# Altium PCB Sampler.PCBDOC (part 5 of 5)
Units mil, origin at the board's own origin, x right, y up, seen from the top; angles counter-clockwise.
Board outline 6299 x 3937 mil, 4 copper layers (Top, MP(GND), L3, Bot), stack 64.881 mil thick; 530 components, 318 nets, 1631 pads, 766 vias.
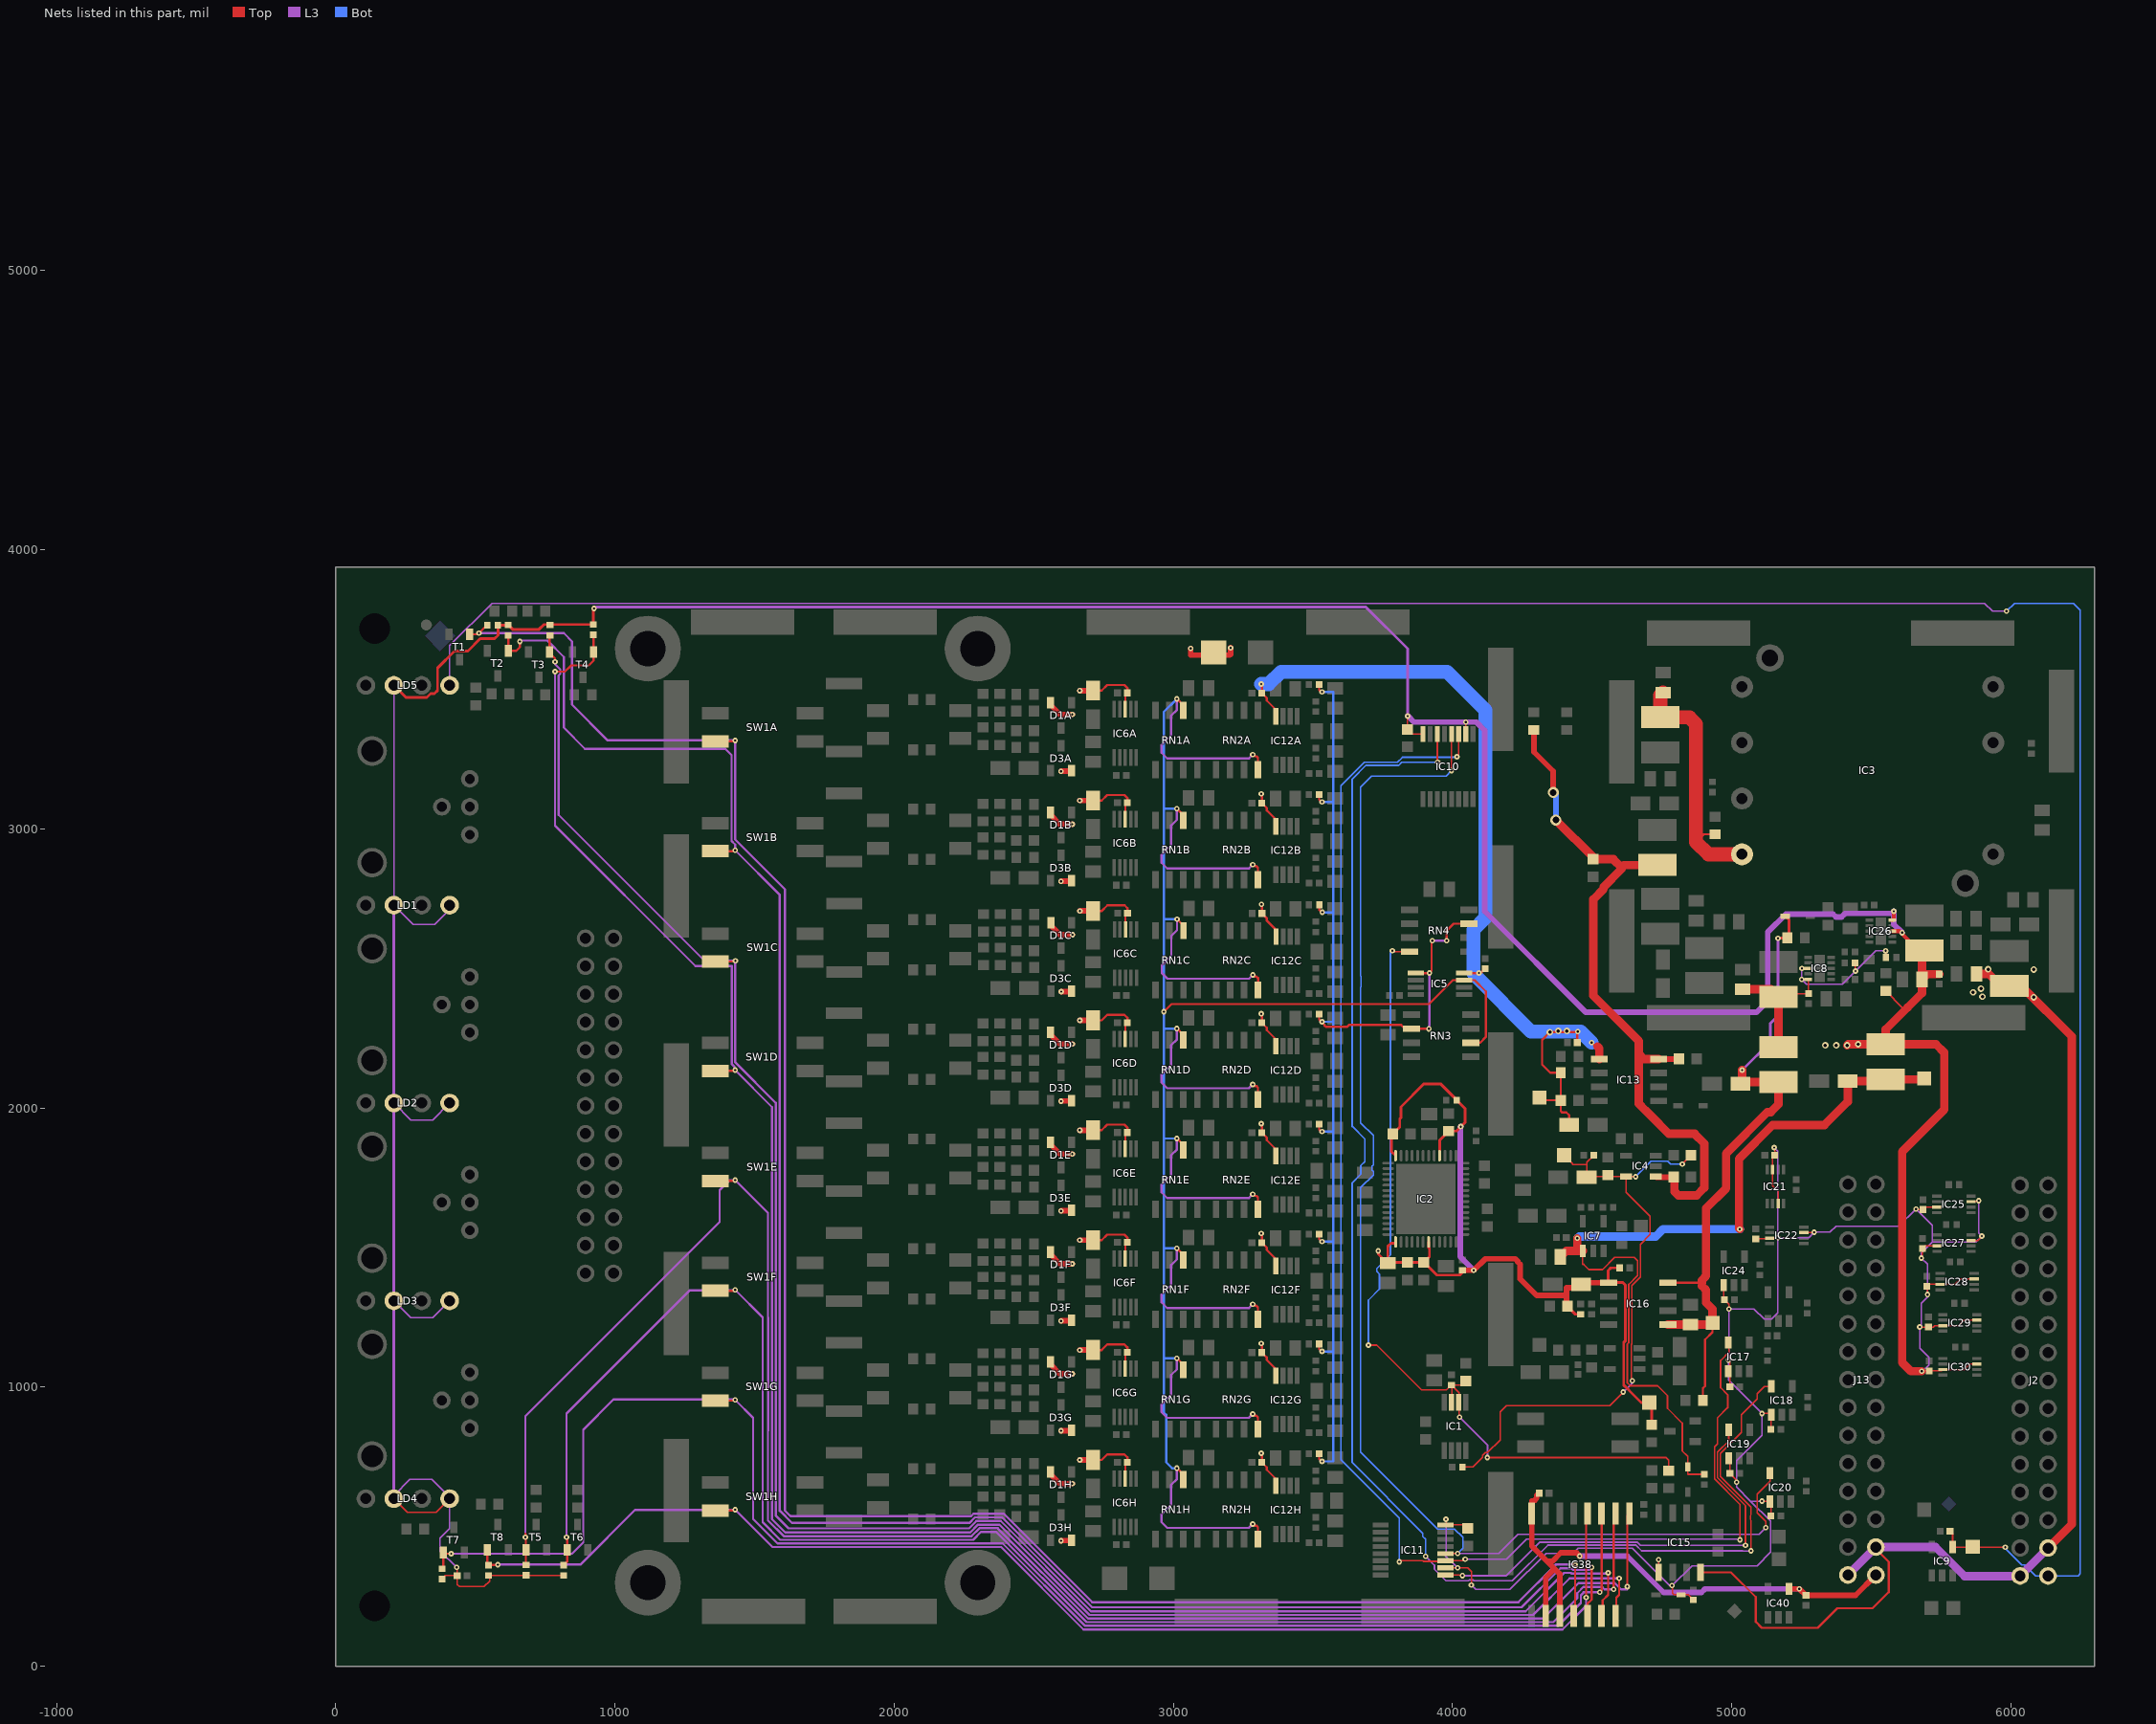
[diagram p7: the nets of this part, all layers, seen from the top]

## Via types
v1: diameter 19.68, hole 7.87, Top to Bot, tented both sides, 739 vias
v2: diameter 23.62, hole 11.81, Top to Bot, tented both sides, 15 vias
v3: diameter 23.62, hole 11.81, Top to Bot, 6 vias
v4: diameter 39.37, hole 23.62, Top to Bot, tented both sides, 6 vias

## Nets (pads, with @x,y where several pads share a name; then routed paths per layer and width w, separated by ;. In a path a pad name is that pad's centre, name@x,y a point inside that pad or via, vN(x,y) a via of type N, cw(c..) or ccw(c..) an arc to the next point about the centre after c; other vN are vias at no path point) (continued)
P3V3: C21.2 C24.2 C31.2 C33.2 C37.2 C38.2 C57.2 C94.2 C120.2 C121.2 C154.2 C156.2 C157.2 C158.2 C159.2 C160.2 C161.2 D5.1 IC10.10 IC10.16 IC11.10 IC11.16 IC15.5 IC17.1 IC18.1 IC19.1 IC20.1 IC21.3 IC21.7 IC22.3 IC22.7 IC24.1 IC25.3 IC25.7 IC26.8 IC26.10 IC27.3 IC27.7 IC28.3 IC28.7 IC29.3 IC29.7 IC30.3 IC30.7 L1.1 L5.2 LD1.2 LD1.4 LD2.2 LD2.4 LD3.2 LD3.4 LD4.2 LD4.4 LD5.2 R5.1 R12.1 R13.1 R20.2 R49.1 R51.1 R68.1 R69.1 R70.1 R71.1 | length 21553.6
  Top w5: LD4.2@208.27,600.39 257.48,551.18 359.06,551.18 LD4.4@408.27,600.39 ; R70.1@383.86,316.14 392.52,324.8 C37.2@435.04,324.8 ; v1(433.07,354.33) 435.04,352.36 C37.2@435.04,324.8 ; R69.1@816.93,325.98 551.18,325.98 551.18,305.12 531.5,285.43 442.91,285.43 435.04,293.31 C37.2@435.04,324.8 ; v1(3839.08,3403.79) C94.2@3839.08,3356.54 3856.36,3339.26 IC10.16@3894.08,3339.26 ; IC11.10@3974.6,352.62 v1(4017.98,352.62) 4054.86,352.62 4067.91,339.57 4067.91,292.32 v1(4066.93,291.34) ; v1(3976.38,526.83) 3976.38,507.94 IC11.16@3974.6,506.16 4043.05,506.16 C57.2@4055.12,494.09 ; IC10.10@4047.62,3339.26 v1(4047.62,3382.65) ; v1(4786.42,289.37) 4787.99,287.8 4787.99,261.22 4793.31,255.91 D5.1@4818.5,255.91 4843.7,255.91 R51.1@4862.2,237.4 ; IC24.1@4971.03,1365.2 4971.03,1316.25 C154.2@4974.28,1313 4990.16,1297.13 v1(4990.16,1279.53) ; v1(4988.03,1096.9) 4993.28,1091.65 C159.2@4993.28,1001 ; IC19.1@4989.03,744.6 4993.28,740.35 C157.2@4993.28,691 5017.72,666.57 v1(5017.72,659.45) ; C160.2@5086,1531.28 5133.04,1531.28 IC22.3@5135.7,1533.95 5163.74,1533.95 v1(5165.23,1535.43) ; v1(5108.27,591.54) 5135.66,591.54 IC20.1@5137.03,590.17 5140.28,586.91 C156.2@5140.28,539 ; v1(5108.57,905.51) 5137.09,905.51 IC18.1@5142.03,900.57 5140.28,898.82 C158.2@5140.28,849 ; v1(5151.57,1858.27) 5153.72,1856.13 C161.2@5153.72,1831 5146.41,1823.69 IC21.3@5146.41,1779.7 5146.41,1722.69 5166.09,1703 IC21.7@5166.09,1657.65 ; IC22.7@5257.75,1553.63 5293.79,1553.63 v1(5295.28,1555.12) ; R20.2@5551.18,2419.29 5610.49,2359.98 5629.92,2359.98 ; v1(5659.83,1638.32) 5661.72,1636.43 C33.2@5685.06,1636.43 5693.47,1644.84 IC25.3@5734.87,1644.84 ; v1(5673.23,1215.55) 5673.33,1215.45 C21.2@5704.56,1215.45 5722.33,1215.45 5727.35,1220.47 IC29.3@5755.91,1220.47 5812.11,1220.47 5831.96,1240.31 5877.8,1240.31 IC29.7@5877.95,1240.16 ; v1(5679.13,1462.2) 5682.69,1465.75 C38.2@5682.69,1496.51 5692.08,1505.91 IC27.3@5735.04,1505.91 ; v1(5680.12,1057.09) 5681.42,1058.38 C31.2@5707.56,1058.38 5751.3,1058.38 IC30.3@5755.91,1062.99 5832.68,1062.99 5852.36,1082.68 IC30.7@5877.95,1082.68 ; v1(5701,1331.69) 5701,1359.23 C24.2@5698.71,1361.52 5705.3,1368.11 IC28.3@5746.06,1368.11 5799.27,1368.11 5819.11,1387.95 5867.95,1387.95 IC28.7@5868.11,1387.8 ; IC25.7@5856.91,1664.52 5881.15,1664.52 v1(5884.47,1667.84) ; IC27.7@5857.08,1525.59 5880.32,1525.59 v1(5895.67,1540.94)
  Top w6: IC15.5@4737.99,336.61 4738.19,336.81 v1(4738.19,381.89)
  Top w10: LD5.2@208.27,3513.78 251.73,3470.31 326.27,3470.31 340.21,3484.25 353.28,3484.25 364.8,3495.78 364.8,3575.8 425.98,3636.97 473.7,3636.97 517.67,3680.94 568.74,3680.94 581.69,3693.9 581.69,3728.15 R5.1@580.51,3729.33 ; R5.1@580.51,3730.12 R12.1@618.11,3730.12 633.7,3714.53 728.31,3714.53 745.87,3732.09 R49.1@923.23,3732.09 923.23,3787.4 v1(925.2,3789.37)
  Top w15: IC26.8@5574.87,2633.65 5600.18,2633.65 ; IC26.10@5574.87,2673.02 5580.22,2678.37 v1(5580.22,2704.52) ; v1@5608.06,2625.78 5670.26,2563.58 L5.2@5689.94,2563.58
  Top w30: v2(5413.39,2224.41) 5417.32,2228.35 v2(5452.76,2228.35) L1.1@5551.18,2228.35 ; v1(5680.12,1057.09) 5640.75,1057.09 5610.24,1087.6 5610.24,1843.5 5760.83,1994.09 5760.83,2198.82 5731.3,2228.35 L1.1@5551.18,2228.35 ; L5.2@5689.94,2563.58 5681.38,2555.01 C121.2@5681.38,2460.57 ; C120.2@5742.94,2479.28 5700.09,2479.28 C121.2@5681.38,2460.57 ; L1.1@5551.18,2228.35 5551.18,2281.24 5629.92,2359.98 5681.38,2411.44 C121.2@5681.38,2460.57
  L3 w5: LD4.2@208.27,600.39 208.27,611.81 265.75,669.29 344.49,669.29 408.27,605.51 LD4.4@408.27,600.39 408.27,492.91 374.02,458.66 374.02,413.39 v1(433.07,354.33) ; LD3.2@208.27,1309.06 269.05,1248.28 347.49,1248.28 LD3.4@408.27,1309.06 ; LD2.2@208.27,2017.72 269.05,1956.94 347.49,1956.94 LD2.4@408.27,2017.72 ; LD5.2@208.27,3513.78 LD1.2@208.27,2726.38 277.17,2657.48 354.33,2657.48 408.27,2711.42 LD1.4@408.27,2726.38 ; v1(3976.38,526.83) 3976.38,397.79 3974.6,396.01 v1(4017.98,352.62) ; v1(4066.93,291.34) 4082.68,275.59 4205.71,275.59 4334.56,404.44 4432.16,404.44 4450.95,423.23 4643.43,423.23 4777.29,289.37 v1(4786.42,289.37) 4857.28,360.24 5090.55,360.24 5139.39,409.07 5139.39,520.06 5067.91,591.54 ; v1(5108.27,591.54) 5067.91,591.54 ; v1(5151.57,1858.27) 5165.23,1844.61 v1(5165.23,1535.43) ; v1(5680.12,1057.09) 5683.07,1057.09 5705.71,1079.72 5705.71,1107.28 5673.23,1139.76 v1(5673.23,1215.55) 5679.13,1221.46 5679.13,1300.2 5701,1322.07 v1(5701,1331.69) 5701,1440.33 v1(5679.13,1462.2) 5679.13,1480.5 5718.5,1519.87 ; v1(5884.47,1667.84) 5884.47,1552.14 v1(5895.67,1540.94) 5874.6,1519.87 5718.5,1519.87 ; 5067.91,591.54 5017.72,641.73 v1(5017.72,659.45) 5017.72,736.22 5108.57,827.07 v1(5108.57,905.51) 4988.03,1026.05 v1(4988.03,1096.9) 4990.16,1099.03 v1(4990.16,1279.53) 5079.72,1279.53 5116.14,1243.11 5142.72,1243.11 5165.35,1265.75 5165.35,1380.65 5165.23,1380.78 v1(5165.23,1535.43) ; v1(5165.23,1535.43) 5275.59,1535.43 v1(5295.28,1555.12) 5351.38,1555.12 5373.03,1576.77 5539.37,1576.77 5540.35,1575.79 5597.3,1575.79 v1(5659.83,1638.32) 5718.5,1579.64 5718.5,1519.87
  L3 w10: LD4.2@208.27,611.81 LD3.2@208.27,1309.06 LD2.2@208.27,2017.72 LD1.2@208.27,2726.38 ; v1(925.2,3789.37) 930.83,3795 3689.25,3795 3839.08,3645.18 v1(3839.08,3403.79)
  L3 w20: v1@3839.69,3404.4 3861.45,3382.65 v1(4047.62,3382.65) 4084.87,3382.65 4115.16,3352.36 4115.16,2704.72 4477.36,2342.52 5088.58,2342.52 5128.94,2382.87 5128.94,2629.92 5193.69,2694.68 5363.01,2694.68 5373.07,2684.61 5393.65,2684.61 5405.94,2696.9 5572.65,2696.9 5580.22,2689.33 v1(5580.22,2704.52) 5580.22,2657.96 v1(5610.23,2627.95)
  other v2: 5334.65,2224.41 5374.02,2224.41
P3V3_MP0: C153.2 C162.2 IC38.2 IC38.3 IC38.16 IC40.4 J13.30 | length 2009.5
  Top w20: C153.2@4309.05,620.08 4300.83,611.85 4300.83,601.66 4292.04,592.87 4283.66,592.87 IC38.16@4283.66,547.24 4283.66,430.91 4337.6,376.97 ; IC38.2@4333.66,181.1 4333.66,317.91 4365.16,349.41 ; IC38.3@4383.66,181.1 4383.66,330.91 4365.16,349.41 ; v1(4455.71,394.69) 4443.9,406.5 4387.8,406.5 4358.27,376.97 4337.6,376.97 ; IC40.4@5204.73,277.56 v1(5242.13,277.56) C162.2@5265.75,253.94 5442.94,253.94 J13.30@5516,327 ; 4337.6,376.97 4365.16,349.41
  L3 w20: v1(4455.71,394.69) 4625.98,394.69 4756.14,264.53 4891.5,264.53 4904.53,277.56 v1(5242.13,277.56)
P3V3_MP1: C43.2 IC9.4 J2.30 LD5.4 TP5.1 | length 10097.4
  Top w6: C43.2@5781.5,484.25 5791.34,474.41 IC9.4@5791.34,427.17 5792.13,426.38 v1(5979.58,426.38)
  L3 w5: LD5.4@408.27,3513.78 408.27,3656.3 559.47,3807.5 5905.51,3807.5 5933.48,3779.53 v1(5984.25,3779.53)
  Bot w5: v1(5979.58,426.38) 5979.58,421.58 6038.54,362.62 6048.83,362.62 6087.83,323.62 J2.30@6132.68,323.62 6240.47,323.62 6248.34,331.5 6248.34,3783.46 6224.31,3807.5 6012.22,3807.5 v1(5984.25,3779.53)
P3V3A: C50.1 C53.2 D2.1 IC7.1 L1.2 R23.2 TP11.1 | length 3071.2
  Top w6: IC7.1@4466.56,1488.16 4465.55,1487.15 4465.55,1439.96 4469.49,1439.96 4488.19,1421.26 4537.45,1421.26 4580.76,1464.57 4650.59,1464.57 4662.41,1452.75 4662.41,1399.22 4631.23,1368.04 4631.23,1159.64 4625.86,1154.27 4625.86,1015.25 4636.31,1004.8 4734.38,1004.8 4769.69,969.49 4769.69,924.21 4822.66,871.24 4822.66,771.83 4842.52,751.97 D2.1@4842.52,714.17 4842.52,688.98 4843.7,687.8 R23.2@4901.57,687.8
  Top w30: C53.2@4385.83,1466.54 4407.45,1488.16 4445.87,1488.16 ; v1(4446.87,1532.96) 4446.87,1489.16 4445.87,1488.16 ; IC7.1@4466.56,1488.16 4445.87,1488.16 ; v1(5028.54,1565.94) 5025.59,1568.9 5025.59,1817.91 5146.65,1938.98 5331.69,1938.98 5415.35,2022.64 C50.1@5415.35,2096.46 5545.28,2096.46 L1.2@5551.18,2102.36 5685.04,2102.36 TP11.1@5688.98,2106.3
  Bot w30: v1(4446.87,1532.96) 4453.28,1539.37 4727.36,1539.37 4753.94,1565.94 v1(5028.54,1565.94)
P5V0A: C3.2 C4.2 C5.2 C6.2 C54.2 C62.2 C114.2 C115.1 IC2.15 IC2.21 IC2.44 IC2.52 IC16.1 R2.1 R10.2 R11.2 R25.2 TP13.1 | length 3267.8
  Top w10: v1(3734.25,1488.19) 3734.25,1475.8 3766.07,1443.98 C6.2@3768.17,1443.98 ; C5.2@3780.35,1907.48 3780.35,1844.86 IC2.52@3796.06,1829.15 ; C5.2@3786.42,1907.48 3811.02,1932.09 3811.02,1960.63 3814.96,1964.57 3814.96,2003.94 3897.64,2086.61 3956.69,2086.61 4014.57,2028.74 R10.2@4014.57,2027.56 4045.43,1996.69 4045.43,1948.98 v1(4029.61,1933.15) 4013.78,1917.32 C4.2@3986.22,1917.32 3954.71,1885.81 3954.71,1830.31 IC2.44@3953.54,1829.15 ; IC2.15@3796.06,1520.09 3791.72,1515.75 3779.53,1515.75 3768.17,1504.39 C6.2@3768.17,1443.98 ; IC2.21@3914.17,1520.09 3914.17,1498.72 3917.33,1495.56 3917.33,1467.21 C3.2@3897.17,1447.05 ; R11.2@4035.43,1418.5 4035.43,1411.94 4024.91,1401.42 3943.69,1401.42 3898.06,1447.05 C3.2@3897.17,1447.05 ; C114.2@4411.42,1289.37 4439.76,1261.02 R25.2@4458.66,1261.02 ; C62.2@4598.43,1427.17 4566.93,1427.17 4557.09,1417.32 4557.09,1376.18 IC16.1@4559.06,1374.21 4610.04,1374.21 4618.23,1366.02 4618.23,1165.03 4612.86,1159.65 4612.86,1007.22 4617.95,1002.13 4619.44,1002.13 4631.06,990.5 4631.06,989.02 4675.2,944.88 TP13.1@4704.72,944.88 4713.2,936.4 R2.1@4713.2,865.5 ; C6.2@3768.17,1443.98 3771.23,1447.05 C54.2@3838.17,1447.05 C3.2@3897.17,1447.05
  Top w20: R11.2@4035.43,1418.5 v1(4075.98,1418.5) 4117.36,1459.88 4224.72,1459.88 4233.5,1451.1 4233.5,1448.58 4242.13,1439.96 4242.13,1387.8 4301.42,1328.5 4399.91,1328.5 4408.7,1337.29 ; C114.2@4411.42,1289.37 4408.7,1292.09 4408.7,1337.29 ; IC16.1@4559.06,1374.21 4466.73,1374.21 C115.1@4460.63,1368.11 4448.33,1355.81 4408.7,1355.81 4408.7,1337.29
  L3 w20: v1(4029.61,1933.15) 4027.56,1931.1 4027.56,1466.93 v1(4075.98,1418.5)
P6V0: C58.2 C59.2 IC8.8 IC8.10 L3.2 L4.1 R24.2 R57.2 | length 1138.1
  Top w5: L4.1@5167.32,2218.5 L3.2@5167.32,2397.64 5179.13,2409.45 C58.2@5273.62,2409.45 ; v1(5250,2460.63) IC8.10@5273.62,2460.63 C58.2@5273.62,2409.45 ; C58.2@5275.59,2409.45 C58.2@5273.62,2409.45 ; R24.2@5441.73,2519.69 5441.73,2491.34 v1(5442.91,2490.16) ; v1(5551.18,2562.79) 5552.36,2561.61 R57.2@5552.36,2539.37
  Top w30: C59.2@5039.37,2425.2 5139.76,2425.2 L3.2@5167.32,2397.64 L4.1@5167.32,2218.5
  L3 w5: v1(5251.06,2500) 5251.06,2461.69 v1(5250,2460.63) 5267.72,2442.91 5396.65,2442.91 5456.69,2502.95 5456.69,2503.94 5515.54,2562.79 v1(5551.18,2562.79)
P6V0A: C60.1 C61.2 D4.1 IC16.5 IC16.8 L4.2 R18.2 R56.2 TP12.1 | length 2403.3
  Top w8: IC16.8@4771.65,1374.21 4884.5,1374.21 ; 4893.04,1363.06 4904.19,1374.21 4893.04,1374.21 ; R18.2@4896.65,952.76 4896.65,996.06 4904.53,1003.94 4904.53,1170.28 4931.1,1196.85 TP12.1@4931.1,1230.31
  Top w10: v1(5165.35,2608.27) 5204.72,2608.27 5204.72,2673.62 D4.1@5191.34,2687.01
  Top w30: IC16.5@4771.65,1224.21 4925,1224.21 TP12.1@4931.1,1230.31 4931.1,1279.53 4907.93,1302.7 4907.93,1348.17 4893.04,1363.06 ; 4893.04,1374.21 4893.04,1382.75 4907.93,1397.64 4907.93,1640.31 4979.59,1711.97 4979.59,1836.97 5127.6,1984.98 5139.5,1984.98 5167.32,2012.8 L4.2@5167.32,2092.52 5037.4,2092.52 v1(5037.4,2135.83)
  L3 w10: v1(5037.4,2135.83) 5137.8,2236.22 5137.8,2303.15 5165.35,2330.71 v1(5165.35,2608.27)
P12V0: C48.2 IC15.8 J2.28 J2.29 J13.28 J13.29 L6.1 | length 4202.7
  Top w8: IC15.8@4887.99,336.61 4997.05,336.61 5085.63,248.03 5085.63,159.45 5107.28,137.8 5308.07,137.8 5377.95,207.68 5503.94,207.68 5562.01,265.75 5562.01,374.02 5516,420.02 J13.28@5516,427
  Top w30: C48.2@5876.37,2480 5920.59,2480 5963.58,2437.01 6037.4,2437.01 6217.52,2256.89 6217.52,508.46 J2.28@6132.68,423.62
  L3 w8: J2.28@6132.68,423.62 J2.28@6144.1,435.04
  L3 w30: J13.29@5416,327 J13.28@5516,427 5729.49,427 5833.66,322.83 6031.89,322.83 J2.29@6032.68,323.62 J2.28@6132.68,423.62
  other v2: 6081.69,2396.65 5897.64,2398.62 5864.17,2414.37 5892.72,2427.17 6081.69,2496.06 5918.31,2497.05
P12V0A: C10A.1 C10B.1 C10C.1 C10D.1 C10E.1 C10F.1 C10G.1 C10H.1 C20.2 C30.2 C35A.2 C35B.2 C35C.2 C35D.2 C35E.2 C35F.2 C35G.2 C35H.2 C51.1 C65.2 C70A.2 C70B.2 C70C.2 C70D.2 C70E.2 C70F.2 C70G.2 C70H.2 D1A.2 D1B.2 D1C.2 D1D.2 D1E.2 D1F.2 D1G.2 D1H.2 D3A.2 D3B.2 D3C.2 D3D.2 D3E.2 D3F.2 D3G.2 D3H.2 D8.1 IC5.8 IC6A.8 IC6B.8 IC6C.8 IC6D.8 IC6E.8 IC6F.8 IC6G.8 IC6H.8 IC12A.8 IC12B.8 IC12C.8 IC12D.8 IC12E.8 IC12F.8 IC12G.8 IC12H.8 IC13.1 R142.2 TP7.1 | length 7621.1
  Top w8: C10H.1@2712,739.27 2743.5,739.27 2763.32,759.09 2825,759.09 2835.48,748.62 C35H.2@2835.48,731.03 2828,723.55 IC6H.8@2828,672.71 ; C10G.1@2712,1132.98 2743.5,1132.98 2763.32,1152.8 2825,1152.8 2835.48,1142.32 C35G.2@2835.48,1124.73 2828,1117.25 IC6G.8@2828,1066.41 ; C10F.1@2712,1526.68 2743.5,1526.68 2763.32,1546.5 2825,1546.5 2835.48,1536.02 C35F.2@2835.48,1518.43 2828,1510.96 IC6F.8@2828,1460.11 ; C10E.1@2712,1920.38 2743.5,1920.38 2763.32,1940.2 2825,1940.2 2835.48,1929.72 C35E.2@2835.48,1912.13 2828,1904.66 IC6E.8@2828,1853.81 ; C10D.1@2712,2314.08 2743.5,2314.08 2763.32,2333.9 2825,2333.9 2835.48,2323.42 C35D.2@2835.48,2305.83 2828,2298.36 IC6D.8@2828,2247.51 ; C10B.1@2712,3101.48 2743.5,3101.48 2763.32,3121.3 2825,3121.3 2835.48,3110.82 C35B.2@2835.48,3093.24 2828,3085.76 IC6B.8@2828,3034.92 ; C10A.1@2712,3495.18 2743.5,3495.18 2763.32,3515 2825,3515 2835.48,3504.52 C35A.2@2835.48,3486.94 2828,3479.46 IC6A.8@2828,3428.61 ; C10C.1@2712.49,2706.05 2743.99,2706.05 2763.81,2725.87 2825.49,2725.87 2835.97,2715.4 C35C.2@2835.97,2697.81 2828.49,2690.33 IC6C.8@2828.49,2639.49 ; v1(3314.96,762.8) 3316.93,760.83 C70H.2@3316.93,730.31 3334.65,712.6 3334.65,703.74 3367.13,671.26 IC12H.8@3367.13,646.8 ; v1(3314.96,1156.5) 3316.93,1154.53 C70G.2@3316.93,1124.02 3334.65,1106.3 3334.65,1097.44 3367.13,1064.96 IC12G.8@3367.13,1040.5 ; v1(3314.96,1550.2) 3316.93,1548.23 C70F.2@3316.93,1517.72 3334.65,1500 3334.65,1491.14 3367.13,1458.66 IC12F.8@3367.13,1434.2 ; v1(3314.96,1943.9) 3316.93,1941.93 C70E.2@3316.93,1911.42 3334.65,1893.7 3334.65,1884.84 3367.13,1852.36 IC12E.8@3367.13,1827.9 ; v1(3314.96,2337.6) 3316.93,2335.63 C70D.2@3316.93,2305.12 3334.65,2287.4 3334.65,2278.54 3367.13,2246.06 IC12D.8@3367.13,2221.6 ; v1(3314.96,3125) 3316.93,3123.03 C70B.2@3316.93,3092.52 3334.65,3074.8 3334.65,3065.94 3367.13,3033.46 IC12B.8@3367.13,3009 ; v1(3314.96,3518.7) 3316.93,3516.73 C70A.2@3316.93,3486.22 3334.65,3468.5 3334.65,3459.65 3367.13,3427.17 IC12A.8@3367.13,3402.7 ; v1(3315.45,2729.58) 3317.42,2727.61 C70C.2@3317.42,2697.1 3335.14,2679.38 3335.14,2670.52 3367.62,2638.04 IC12C.8@3367.62,2613.58 ; IC5.8@4041.34,2483.27 v1(4094.49,2483.27) 4101.38,2483.27 C20.2@4117.13,2499.02 ; TP7.1@4311.02,2037.4 4320.87,2027.56 C65.2@4387.8,2027.56 ; C51.1@4417.32,1938.98 4417.32,1974.41 4407.48,1984.25 4391.73,1984.25 4387.8,1988.19 C65.2@4387.8,2027.56 ; C30.2@4446.85,2234.25 4446.85,2271.65 v2(4348.43,2271.65) 4320.87,2244.09 4320.87,2155.51 4350.39,2125.98 R142.2@4387.8,2125.98 C65.2@4387.8,2027.56 ; v1(4498.03,2234.25) 4515.26,2217.03
  Top w20: D1H.2@2560.6,696.37 2560.6,687.31 2593.81,654.09 v1(2638.31,654.09) ; D1G.2@2560.6,1090.07 2560.6,1081.01 2593.81,1047.8 v1(2638.31,1047.8) ; D1F.2@2560.6,1483.77 2560.6,1474.71 2593.81,1441.5 v1(2638.31,1441.5) ; D1E.2@2560.6,1877.47 2560.6,1868.41 2593.81,1835.2 v1(2638.31,1835.2) ; D1D.2@2560.6,2271.17 2560.6,2262.11 2593.81,2228.9 v1(2638.31,2228.9) ; D1B.2@2560.6,3058.57 2560.6,3049.51 2593.81,3016.3 v1(2638.31,3016.3) ; D1A.2@2560.6,3452.28 2560.6,3443.21 2593.81,3410 v1(2638.31,3410) ; D1C.2@2561.09,2663.15 2561.09,2654.09 2594.3,2620.87 v1(2638.8,2620.87) ; v1(2597.78,449.76) 2598.51,450.48 D3H.2@2633.61,450.48 ; v1(2597.78,843.46) 2598.51,844.18 D3G.2@2633.61,844.18 ; v1(2597.78,1237.16) 2598.51,1237.88 D3F.2@2633.61,1237.88 ; v1(2597.78,1630.86) 2598.51,1631.58 D3E.2@2633.61,1631.58 ; v1(2597.78,2024.56) 2598.51,2025.28 D3D.2@2633.61,2025.28 ; v1(2597.78,2811.96) 2598.51,2812.68 D3B.2@2633.61,2812.68 ; v1(2597.78,3205.66) 2598.51,3206.38 D3A.2@2633.61,3206.38 ; v1(2598.28,2416.54) 2599,2417.26 D3C.2@2634.11,2417.26 ; v1(2665,739.09) 2665.18,739.27 C10H.1@2712,739.27 ; v1(2665,1132.8) 2665.18,1132.98 C10G.1@2712,1132.98 ; v1(2665,1526.5) 2665.18,1526.68 C10F.1@2712,1526.68 ; v1(2665,1920.2) 2665.18,1920.38 C10E.1@2712,1920.38 ; v1(2665,2313.9) 2665.18,2314.08 C10D.1@2712,2314.08 ; v1(2665,3101.3) 2665.18,3101.48 C10B.1@2712,3101.48 ; v1(2665,3495) 2665.18,3495.18 C10A.1@2712,3495.18 ; v1(2665.49,2705.87) 2665.67,2706.05 C10C.1@2712.49,2706.05 ; v1(3062.05,3646.37) 3062.05,3622.05 3202.04,3622.05 3205.05,3625.05 v1(3205.05,3648.37)
  Top w30: 4518.7,2220.47 4525.55,2213.62 IC13.1@4525.55,2175.37
  Bot w50: v1(3314.96,3518.7) 3341.54,3518.7 3385.83,3562.99 3980.32,3562.99 4118.11,3425.2 4118.11,2681.1 4074.8,2637.8 4074.8,2483.27 ; 4083.17,2471.95 4281.02,2274.09 4448.35,2274.09 v1(4448.82,2273.62) 4458.66,2273.62 v1(4498.03,2234.25)
  other v2: 4378.94,2275.59 4409.45,2275.59
P13V0: C29.2 C112.2 C117.2 IC4.1 IC13.8 L11.2 R3.2 | length 2584.2
  Top w20: R3.2@4291.34,3354.33 4291.34,3275.31 4360.24,3206.41 v4(4360.24,3129.92) ; IC4.1@4728.35,1753.94 4730.32,1751.97 C117.2@4791.34,1751.97 ; IC13.8@4738.15,2175.37 4810.85,2175.37 C112.2@4811.02,2175.2
  Top w30: v4(4370.08,3031.5) C29.2@4506.4,2895.18 ; C29.2@4502.95,2891.73 4575.79,2891.73 4575.79,2890.75 4605.32,2861.22 4605.32,2856.04 4541.02,2791.75 4541.02,2784.25 4503.94,2747.17 4503.94,2402.56 4667.32,2239.17 4667.32,2193.9 ; 4614.17,2870.08 L11.2@4734.25,2870.08 ; IC13.8@4738.15,2175.37 4685.85,2175.37 4667.32,2193.9 ; C117.2@4791.34,1751.97 4794.29,1749.02 4794.29,1700.79 4808.07,1687.01 4874.02,1687.01 4901.57,1714.57 4901.57,1873.03 4867.13,1907.48 4774.61,1907.48 4741.69,1940.39 4741.69,1941.54 4692.21,1991.02 4691.06,1991.02 4667.32,2014.76 4667.32,2193.9
  Bot w20: v4(4360.24,3129.92) 4370.08,3120.08 v4(4370.08,3031.5)
P13V0S: C26.2 IC3.7 L10.1 R7.2 | length 916.8
  Top w8: 4872.05,2952.76 4899.61,2980.31 R7.2@4940.94,2980.31
  Top w50: C26.2@4753.94,3488.19 4744.09,3478.35 L10.1@4744.09,3399.61 4848.43,3399.61 4872.05,3375.98 4872.05,2952.76 4916.14,2908.66 IC3.7@5036.61,2908.66
PGIA-CS: IC10.12 IC11.12 IC20.5 | length 4874.1
  Top w5: IC11.12@3974.6,403.8 v1(4017.98,403.8) ; v1(3996.06,3208.66) 3996.44,3209.04 IC10.12@3996.44,3339.26 ; v1(5122.05,497.05) 5122.05,518.62 5090.55,550.12 5090.55,617.13 5137.03,663.61 IC20.5@5137.03,692.53
  L3 w5: v1(4017.98,403.8) 4165.61,403.8 4234.25,472.44 5097.44,472.44 v1(5122.05,497.05)
  Bot w5: v1(3996.06,3208.66) 3976.38,3188.98 3710.63,3188.98 3671.26,3149.61 3671.26,2472.89 3671.37,2472.78 3671.37,2432.73 3671.26,2432.62 3671.26,1946.43 3715.95,1901.74 3715.95,1795.5 3712.07,1791.62 3712.07,1776.59 3715.95,1772.7 3715.95,1759.05 3671.26,1714.36 3671.26,767.72 3946.85,492.13 4006.89,492.13 4036.41,462.6 4036.41,422.23 v1(4017.98,403.8)
PGIA-MISO: IC11.9 IC19.5 | length 1601.9
  Top w6: IC11.9@3974.6,327.03 4033.21,327.03 v1(4035.43,324.8) ; IC19.5@4989.03,846.96 4989.03,807.03 4949.15,767.14 4949.15,675.77 5049.21,575.7 v1(5049.21,433.07)
  L3 w6: v1(4035.43,324.8) 4192.91,324.8 4312.84,444.73 4661.46,444.73 4673.12,433.07 v1(5049.21,433.07)
PGIA-MOSI: IC10.14 IC18.5 | length 5363.8
  Top w5: v1(5068.9,413.39) 5068.9,522.72 5066.24,525.38 5066.24,539.74 5068.9,542.4 5068.9,570.87 4959.65,680.12 4959.65,762.8 5034.45,837.6 5034.45,900.59 5091.23,957.37 5091.23,977.05 5117.1,1002.93 IC18.5@5142.03,1002.93
  Top w6: IC10.14@3945.26,3339.26 3945.26,3239.78 v1(3946.85,3238.19)
  L3 w5: 5039.37,413.39 v1(5068.9,413.39)
  L3 w6: v1(3903.19,393.7) 3935.17,361.72 3935.17,347.57 3976.38,306.36 4056.72,306.36 4059.54,309.18 4074.32,309.18 4077.14,306.36 4213.84,306.36 4341.21,433.73 4656.91,433.73 4677.25,413.39 5039.37,413.39
  Bot w6: v1(3903.19,393.7) 3903.19,455.08 3893.37,464.9 3893.37,476.71 3640.76,729.32 3640.76,1732.28 3671.26,1762.78 3671.26,1793.94 3685.45,1808.13 3685.45,1889.11 3640.76,1933.8 3640.76,2445.25 3640.87,2445.37 3640.87,2460.15 3640.76,2460.26 3640.76,3178.16 3689.79,3227.19 3806.93,3227.19 3817.93,3238.19 v1(3946.85,3238.19)